# Altium PCB A8_multiple.PcbDoc (part 4 of 10)
Units mm, origin at the board's own origin, x right, y up, seen from the top; angles counter-clockwise.
Board outline 140 x 140 mm, 2 copper layers (Top Layer, Bottom Layer); 80 components, 0 nets, 928 pads, 160 vias.
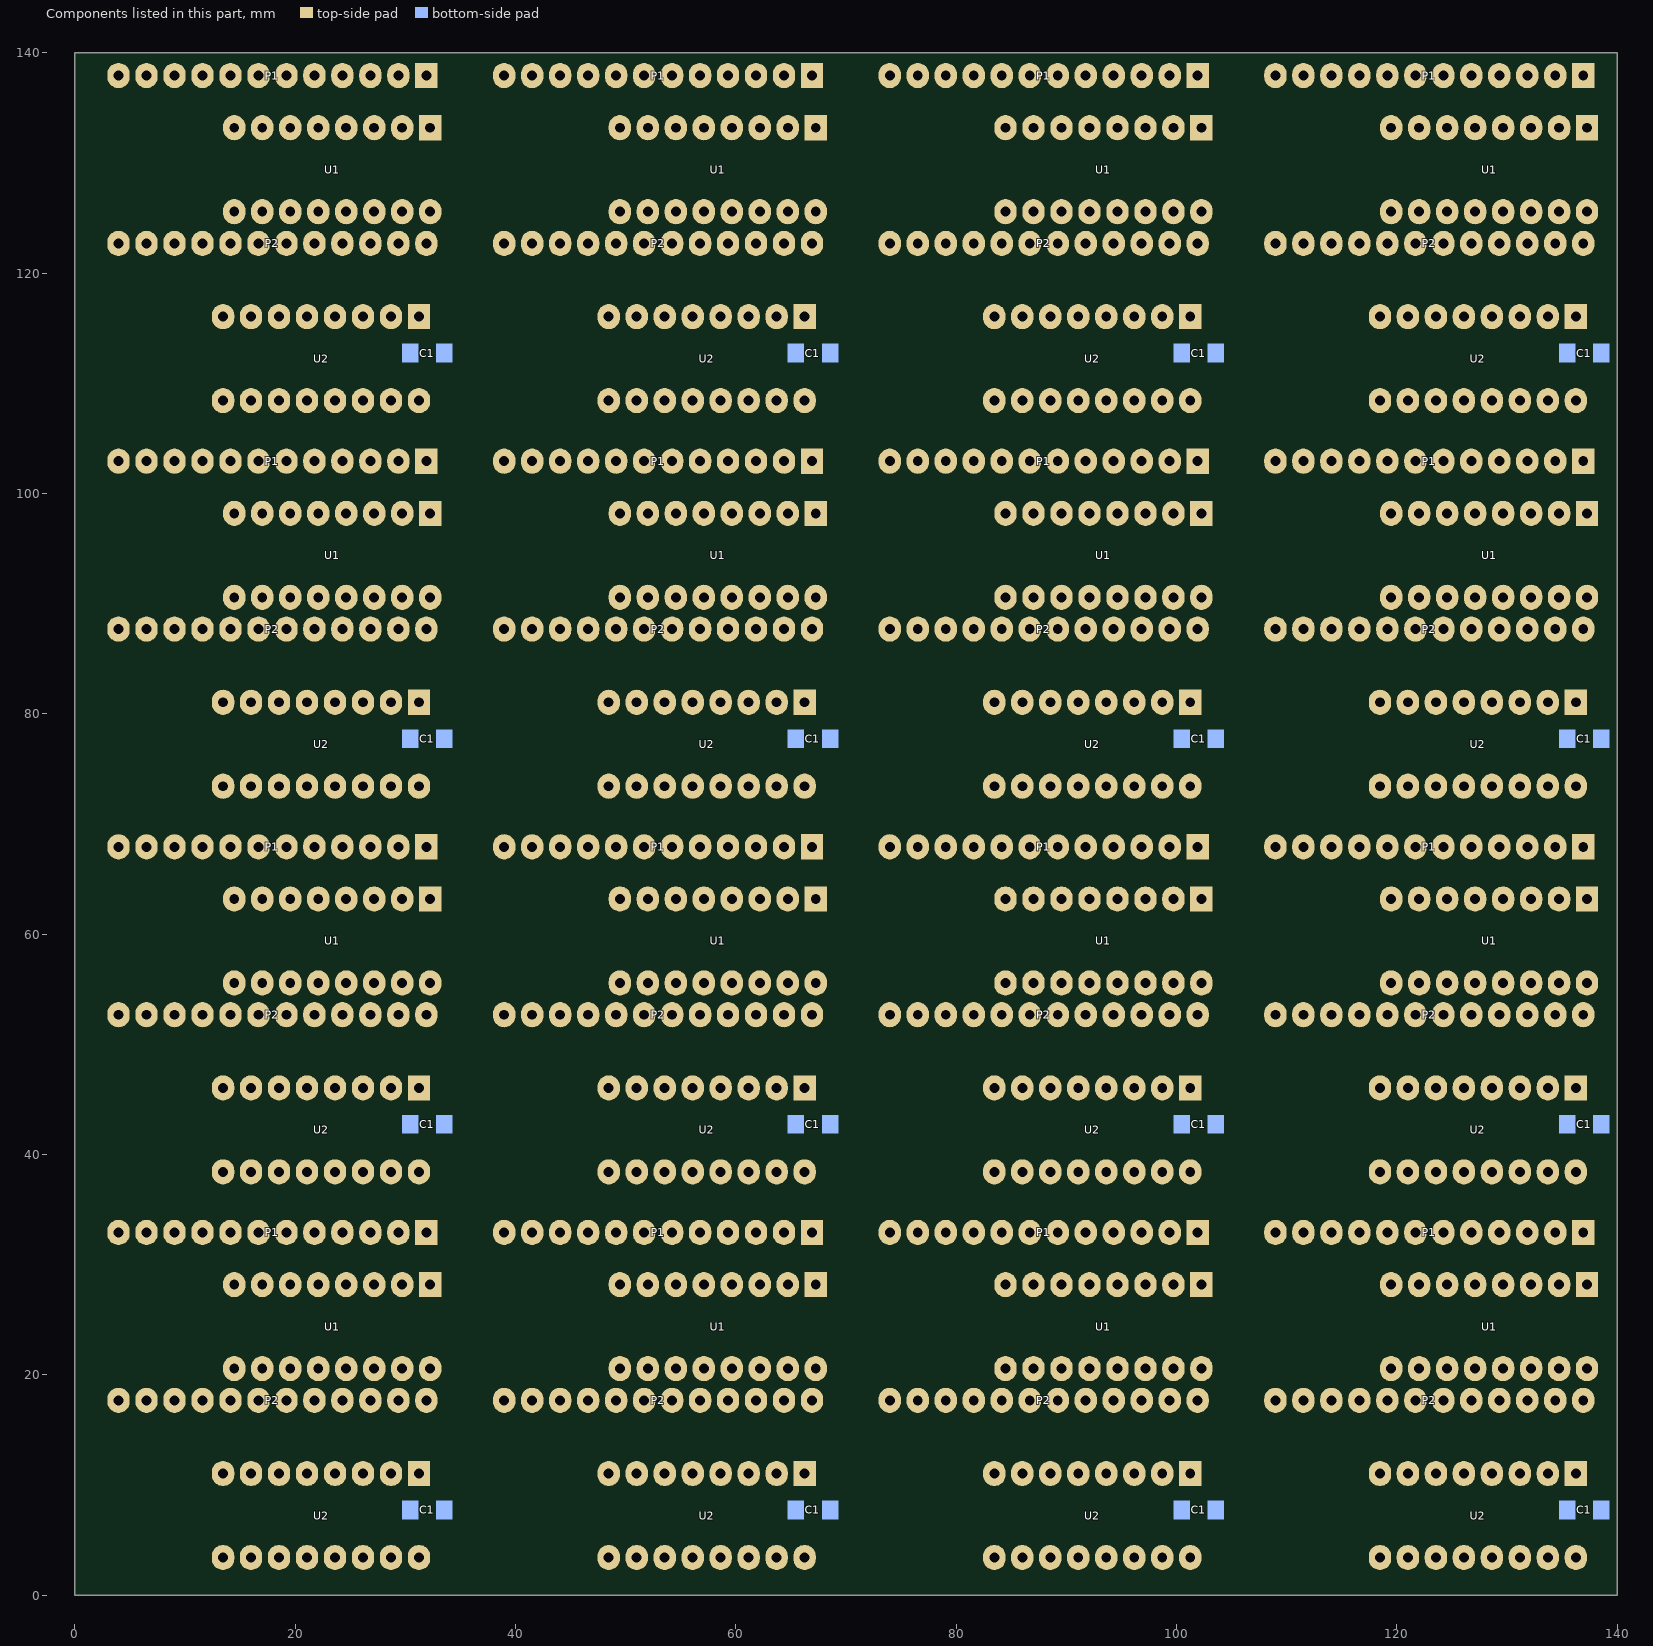
[diagram p4: the components of this part, seen from the top]

## Via types
v1: diameter 2.032, hole 0.711, Top Layer to Bottom Layer, 160 vias

## Nets (pads, with @x,y where several pads share a name; then routed paths per layer and width w, separated by ;. In a path a pad name is that pad's centre, name@x,y a point inside that pad or via, vN(x,y) a via of type N, cw(c..) or ccw(c..) an arc to the next point about the centre after c; other vN are vias at no path point) (continued)
copper on no net: (continued)
  Bottom Layer w0.406: v1@130.367,84.572 cw(c128.446,82.651) 131.162,82.651 ; v1@130.367,119.572 cw(c128.446,117.651) 131.162,117.651 ; 130.587,11.751 ccw(c129.2,13.138) 131.162,13.138 ccw(c133.124,13.138) 131.737,11.751 ; 130.587,46.751 ccw(c129.2,48.138) 131.162,48.138 ccw(c133.124,48.138) 131.737,46.751 ; 130.587,81.751 ccw(c129.2,83.138) 131.162,83.138 ccw(c133.124,83.138) 131.737,81.751 ; 130.587,116.751 ccw(c129.2,118.138) 131.162,118.138 ccw(c133.124,118.138) 131.737,116.751 ; 130.63,4.171 ccw(c129.624,5.334) 131.162,5.334 ; 130.63,39.171 ccw(c129.624,40.334) 131.162,40.334 ; 130.63,74.171 ccw(c129.624,75.334) 131.162,75.334 ; 130.63,109.171 ccw(c129.624,110.334) 131.162,110.334 ; 131.162,3.429 131.162,5.334 ; 131.162,11.049 131.162,14.351 v1(130.654,14.859) cw(c129.428,13.633) 131.162,13.633 ; 131.162,38.429 131.162,40.334 ; 131.162,46.049 131.162,49.351 v1(130.654,49.859) cw(c129.428,48.633) 131.162,48.633 ; 131.162,73.429 131.162,75.334 ; 131.162,81.049 131.162,84.351 v1(130.654,84.859) cw(c129.428,83.633) 131.162,83.633 ; 131.162,108.429 131.162,110.334 ; 131.162,116.049 131.162,119.351 v1(130.654,119.859) cw(c129.428,118.633) 131.162,118.633 ; 131.523,16.814 cw(c131.327,16.345) 131.835,16.345 ; 131.523,51.814 cw(c131.327,51.345) 131.835,51.345 ; 131.523,86.814 cw(c131.327,86.345) 131.835,86.345 ; 131.523,121.814 cw(c131.327,121.345) 131.835,121.345 ; 131.603,21.276 ccw(c130.216,22.663) 132.178,22.663 ccw(c134.14,22.663) 132.753,21.276 ; 131.603,56.276 ccw(c130.216,57.663) 132.178,57.663 ccw(c134.14,57.663) 132.753,56.276 ; 131.603,91.276 ccw(c130.216,92.663) 132.178,92.663 ccw(c134.14,92.663) 132.753,91.276 ; 131.603,126.276 ccw(c130.216,127.663) 132.178,127.663 ccw(c134.14,127.663) 132.753,126.276 ; 131.694,4.171 cw(c132.7,5.334) 131.162,5.334 ; 131.694,39.171 cw(c132.7,40.334) 131.162,40.334 ; 131.694,74.171 cw(c132.7,75.334) 131.162,75.334 ; 131.694,109.171 cw(c132.7,110.334) 131.162,110.334 ; 131.835,17.564 ccw(c132.603,16.959) 131.912,16.268 ; 131.835,17.691 131.835,16.345 ; 131.835,52.564 ccw(c132.603,51.959) 131.912,51.268 ; 131.835,52.691 131.835,51.345 ; 131.835,87.564 ccw(c132.603,86.959) 131.912,86.268 ; 131.835,87.691 131.835,86.345 ; 131.835,122.564 ccw(c132.603,121.959) 131.912,121.268 ; 131.835,122.691 131.835,121.345 ; 132.147,16.814 ccw(c132.343,16.345) 131.835,16.345 ; 132.147,51.814 ccw(c132.343,51.345) 131.835,51.345 ; 132.147,86.814 ccw(c132.343,86.345) 131.835,86.345 ; 132.147,121.814 ccw(c132.343,121.345) 131.835,121.345 ; 132.154,17.313 ccw(c132.965,16.674) 132.235,15.945 ; 132.154,52.313 ccw(c132.965,51.674) 132.235,50.945 ; 132.154,87.313 ccw(c132.965,86.674) 132.235,85.945 ; 132.154,122.313 ccw(c132.965,121.674) 132.235,120.945 ; 132.178,20.574 132.178,22.86 129.511,25.527 118.081,25.527 116.811,26.797 116.811,29.272 118.527,30.988 121.002,30.988 ; 132.178,55.574 132.178,57.86 129.511,60.527 118.081,60.527 116.811,61.797 116.811,64.272 118.527,65.988 121.002,65.988 ; 132.178,90.574 132.178,92.86 129.511,95.527 118.081,95.527 116.811,96.797 116.811,99.272 118.527,100.988 121.002,100.988 ; 132.178,125.574 132.178,127.86 129.511,130.527 118.081,130.527 116.811,131.797 116.811,134.272 118.527,135.988 121.002,135.988 ; 132.474,17.061 ccw(c133.327,16.389) 132.559,15.621 ; 132.474,52.061 ccw(c133.327,51.389) 132.559,50.621 ; 132.474,87.061 ccw(c133.327,86.389) 132.559,85.621 ; 132.474,122.061 ccw(c133.327,121.389) 132.559,120.621 ; 133.127,4.131 ccw(c131.74,5.518) 133.702,5.518 ccw(c135.664,5.518) 134.277,4.131 ; 133.127,11.751 ccw(c131.74,13.138) 133.702,13.138 ccw(c135.664,13.138) 134.277,11.751 ; 133.127,39.131 ccw(c131.74,40.518) 133.702,40.518 ccw(c135.664,40.518) 134.277,39.131 ; 133.127,46.751 ccw(c131.74,48.138) 133.702,48.138 ccw(c135.664,48.138) 134.277,46.751 ; 133.127,74.131 ccw(c131.74,75.518) 133.702,75.518 ccw(c135.664,75.518) 134.277,74.131 ; 133.127,81.751 ccw(c131.74,83.138) 133.702,83.138 ccw(c135.664,83.138) 134.277,81.751 ; 133.127,109.131 ccw(c131.74,110.518) 133.702,110.518 ccw(c135.664,110.518) 134.277,109.131 ; 133.127,116.751 ccw(c131.74,118.138) 133.702,118.138 ccw(c135.664,118.138) 134.277,116.751 ; 133.702,3.429 133.702,5.715 131.543,7.874 124.177,7.874 122.907,9.144 117.635,9.144 116.684,10.095 116.684,12.09 118.564,13.97 121.002,13.97 122.907,15.875 123.707,15.875 124.215,16.383 ; 133.702,11.049 133.702,13.843 132.559,14.986 132.559,15.621 ; 133.702,38.429 133.702,40.715 131.543,42.874 124.177,42.874 122.907,44.144 117.635,44.144 116.684,45.095 116.684,47.09 118.564,48.97 121.002,48.97 122.907,50.875 123.707,50.875 124.215,51.383 ; 133.702,46.049 133.702,48.843 132.559,49.986 132.559,50.621 ; 133.702,73.429 133.702,75.715 131.543,77.874 124.177,77.874 122.907,79.144 117.635,79.144 116.684,80.095 116.684,82.09 118.564,83.97 121.002,83.97 122.907,85.875 123.707,85.875 124.215,86.383 ; 133.702,81.049 133.702,83.843 132.559,84.986 132.559,85.621 ; 133.702,108.429 133.702,110.715 131.543,112.874 124.177,112.874 122.907,114.144 117.635,114.144 116.684,115.095 116.684,117.09 118.564,118.97 121.002,118.97 122.907,120.875 123.707,120.875 124.215,121.383 ; 133.702,116.049 133.702,118.843 132.559,119.986 132.559,120.621 ; 134.316,21.408 ccw(c133.924,22.098) 134.718,22.098 ; 134.316,56.408 ccw(c133.924,57.098) 134.718,57.098 ; 134.316,91.408 ccw(c133.924,92.098) 134.718,92.098 ; 134.316,126.408 ccw(c133.924,127.098) 134.718,127.098 ; 134.718,20.574 134.718,22.098 ; 134.718,55.574 134.718,57.098 ; 134.718,90.574 134.718,92.098 ; 134.718,125.574 134.718,127.098 ; 135.12,21.408 cw(c135.512,22.098) 134.718,22.098 ; 135.12,56.408 cw(c135.512,57.098) 134.718,57.098 ; 135.12,91.408 cw(c135.512,92.098) 134.718,92.098 ; 135.12,126.408 cw(c135.512,127.098) 134.718,127.098 ; 6.515,19.266 6.515,17.691 6.515,15.024 4.826,13.335 4.826,10.287 11.684,3.429 ; 6.515,24.892 8.001,24.892 10.414,22.479 16.51,22.479 17.018,21.971 ; 6.515,24.892 6.515,23.66 1.905,19.05 1.905,7.62 7.874,1.651 15.24,1.651 ; 6.515,54.266 6.515,52.691 6.515,50.024 4.826,48.335 4.826,45.287 11.684,38.429 ; 6.515,59.892 8.001,59.892 10.414,57.479 16.51,57.479 17.018,56.971 ; 6.515,59.892 6.515,58.66 1.905,54.05 1.905,42.62 7.874,36.651 15.24,36.651 ; 6.515,89.266 6.515,87.691 6.515,85.024 4.826,83.335 4.826,80.287 11.684,73.429 ; 6.515,94.892 8.001,94.892 10.414,92.479 16.51,92.479 17.018,91.971 ; 6.515,94.892 6.515,93.66 1.905,89.05 1.905,77.62 7.874,71.651 15.24,71.651 ; 6.515,124.266 6.515,122.691 6.515,120.024 4.826,118.335 4.826,115.287 11.684,108.429 ; 6.515,129.892 8.001,129.892 10.414,127.479 16.51,127.479 17.018,126.971 ; 6.515,129.892 6.515,128.66 1.905,124.05 1.905,112.62 7.874,106.651 15.24,106.651 ; 8.255,26.67 v1(8.255,28.321) 8.255,30.607 9.055,31.407 ; 8.255,26.67 11.684,23.241 18.415,23.241 19.558,22.098 ; 8.255,61.67 v1(8.255,63.321) 8.255,65.607 9.055,66.407 ; 8.255,61.67 11.684,58.241 18.415,58.241 19.558,57.098 ; 8.255,96.67 v1(8.255,98.321) 8.255,100.607 9.055,101.407 ; 8.255,96.67 11.684,93.241 18.415,93.241 19.558,92.098 ; 8.255,131.67 v1(8.255,133.321) 8.255,135.607 9.055,136.407 ; 8.255,131.67 11.684,128.241 18.415,128.241 19.558,127.098 ; 11.595,15.659 9.271,13.335 9.271,8.636 11.684,6.223 16.891,6.223 17.526,5.588 20.32,5.588 21.082,4.826 ; 11.595,50.659 9.271,48.335 9.271,43.636 11.684,41.223 16.891,41.223 17.526,40.588 20.32,40.588 21.082,39.826 ; 11.595,85.659 9.271,83.335 9.271,78.636 11.684,76.223 16.891,76.223 17.526,75.588 20.32,75.588 21.082,74.826 ; 11.595,120.659 9.271,118.335 9.271,113.636 11.684,111.223 16.891,111.223 17.526,110.588 20.32,110.588 21.082,109.826 ; 13.335,15.621 12.7,15.621 10.033,12.954 10.033,9.144 11.938,7.239 17.145,7.239 18.034,6.35 22.479,6.35 23.622,5.207 ; 13.335,15.621 14.135,16.421 ; 13.335,50.621 12.7,50.621 10.033,47.954 10.033,44.144 11.938,42.239 17.145,42.239 18.034,41.35 22.479,41.35 23.622,40.207 ; 13.335,50.621 14.135,51.421 ; 13.335,85.621 12.7,85.621 10.033,82.954 10.033,79.144 11.938,77.239 17.145,77.239 18.034,76.35 22.479,76.35 23.622,75.207 ; 13.335,85.621 14.135,86.421 ; 13.335,120.621 12.7,120.621 10.033,117.954 10.033,114.144 11.938,112.239 17.145,112.239 18.034,111.35 22.479,111.35 23.622,110.207 ; 13.335,120.621 14.135,121.421 ; 16.002,30.988 16.675,31.661 ; 16.002,65.988 16.675,66.661 ; 16.002,100.988 16.675,101.661 ; 16.002,135.988 16.675,136.661 ; 16.675,16.294 15.24,14.859 13.081,14.859 10.922,12.7 10.922,9.779 12.573,8.128 17.653,8.128 18.669,7.112 24.384,7.112 26.162,5.334 ; 16.675,51.294 15.24,49.859 13.081,49.859 10.922,47.7 10.922,44.779 12.573,43.128 17.653,43.128 18.669,42.112 24.384,42.112 26.162,40.334 ; 16.675,86.294 15.24,84.859 13.081,84.859 10.922,82.7 10.922,79.779 12.573,78.128 17.653,78.128 18.669,77.112 24.384,77.112 26.162,75.334 ; 16.675,121.294 15.24,119.859 13.081,119.859 10.922,117.7 10.922,114.779 12.573,113.128 17.653,113.128 18.669,112.112 24.384,112.112 26.162,110.334 ; 26.835,16.345 27.559,15.621 ; 26.835,51.345 27.559,50.621 ; 26.835,86.345 27.559,85.621 ; 26.835,121.345 27.559,120.621 ; 41.515,19.266 41.515,17.691 41.515,15.024 39.826,13.335 39.826,10.287 46.684,3.429 ; 41.515,24.892 43.001,24.892 45.414,22.479 51.51,22.479 52.018,21.971 ; 41.515,24.892 41.515,23.66 36.905,19.05 36.905,7.62 42.874,1.651 50.24,1.651 ; 41.515,54.266 41.515,52.691 41.515,50.024 39.826,48.335 39.826,45.287 46.684,38.429 ; 41.515,59.892 43.001,59.892 45.414,57.479 51.51,57.479 52.018,56.971 ; 41.515,59.892 41.515,58.66 36.905,54.05 36.905,42.62 42.874,36.651 50.24,36.651 ; 41.515,89.266 41.515,87.691 41.515,85.024 39.826,83.335 39.826,80.287 46.684,73.429 ; 41.515,94.892 43.001,94.892 45.414,92.479 51.51,92.479 52.018,91.971 ; 41.515,94.892 41.515,93.66 36.905,89.05 36.905,77.62 42.874,71.651 50.24,71.651 ; 41.515,124.266 41.515,122.691 41.515,120.024 39.826,118.335 39.826,115.287 46.684,108.429 ; 41.515,129.892 43.001,129.892 45.414,127.479 51.51,127.479 52.018,126.971 ; 41.515,129.892 41.515,128.66 36.905,124.05 36.905,112.62 42.874,106.651 50.24,106.651 ; 43.255,26.67 v1(43.255,28.321) 43.255,30.607 44.055,31.407 ; 43.255,26.67 46.684,23.241 53.415,23.241 54.558,22.098 ; 43.255,61.67 v1(43.255,63.321) 43.255,65.607 44.055,66.407 ; 43.255,61.67 46.684,58.241 53.415,58.241 54.558,57.098 ; 43.255,96.67 v1(43.255,98.321) 43.255,100.607 44.055,101.407 ; 43.255,96.67 46.684,93.241 53.415,93.241 54.558,92.098 ; 43.255,131.67 v1(43.255,133.321) 43.255,135.607 44.055,136.407 ; 43.255,131.67 46.684,128.241 53.415,128.241 54.558,127.098 ; 46.595,15.659 44.271,13.335 44.271,8.636 46.684,6.223 51.891,6.223 52.526,5.588 55.32,5.588 56.082,4.826 ; 46.595,50.659 44.271,48.335 44.271,43.636 46.684,41.223 51.891,41.223 52.526,40.588 55.32,40.588 56.082,39.826 ; 46.595,85.659 44.271,83.335 44.271,78.636 46.684,76.223 51.891,76.223 52.526,75.588 55.32,75.588 56.082,74.826 ; 46.595,120.659 44.271,118.335 44.271,113.636 46.684,111.223 51.891,111.223 52.526,110.588 55.32,110.588 56.082,109.826 ; 48.335,15.621 47.7,15.621 45.033,12.954 45.033,9.144 46.938,7.239 52.145,7.239 53.034,6.35 57.479,6.35 58.622,5.207 ; 48.335,15.621 49.135,16.421 ; 48.335,50.621 47.7,50.621 45.033,47.954 45.033,44.144 46.938,42.239 52.145,42.239 53.034,41.35 57.479,41.35 58.622,40.207 ; 48.335,50.621 49.135,51.421 ; 48.335,85.621 47.7,85.621 45.033,82.954 45.033,79.144 46.938,77.239 52.145,77.239 53.034,76.35 57.479,76.35 58.622,75.207 ; 48.335,85.621 49.135,86.421 ; 48.335,120.621 47.7,120.621 45.033,117.954 45.033,114.144 46.938,112.239 52.145,112.239 53.034,111.35 57.479,111.35 58.622,110.207 ; 48.335,120.621 49.135,121.421 ; 51.002,30.988 51.675,31.661 ; 51.002,65.988 51.675,66.661 ; 51.002,100.988 51.675,101.661 ; 51.002,135.988 51.675,136.661 ; 51.675,16.294 50.24,14.859 48.081,14.859 45.922,12.7 45.922,9.779 47.573,8.128 52.653,8.128 53.669,7.112 59.384,7.112 61.162,5.334 ; 51.675,51.294 50.24,49.859 48.081,49.859 45.922,47.7 45.922,44.779 47.573,43.128 52.653,43.128 53.669,42.112 59.384,42.112 61.162,40.334 ; 51.675,86.294 50.24,84.859 48.081,84.859 45.922,82.7 45.922,79.779 47.573,78.128 52.653,78.128 53.669,77.112 59.384,77.112 61.162,75.334 ; 51.675,121.294 50.24,119.859 48.081,119.859 45.922,117.7 45.922,114.779 47.573,113.128 52.653,113.128 53.669,112.112 59.384,112.112 61.162,110.334 ; 61.835,16.345 62.559,15.621 ; 61.835,51.345 62.559,50.621 ; 61.835,86.345 62.559,85.621 ; 61.835,121.345 62.559,120.621 ; 76.515,19.266 76.515,17.691 76.515,15.024 74.826,13.335 74.826,10.287 81.684,3.429 ; 76.515,24.892 78.001,24.892 80.414,22.479 86.51,22.479 87.018,21.971 ; 76.515,24.892 76.515,23.66 71.905,19.05 71.905,7.62 77.874,1.651 85.24,1.651 ; 76.515,54.266 76.515,52.691 76.515,50.024 74.826,48.335 74.826,45.287 81.684,38.429 ; 76.515,59.892 78.001,59.892 80.414,57.479 86.51,57.479 87.018,56.971 ; 76.515,59.892 76.515,58.66 71.905,54.05 71.905,42.62 77.874,36.651 85.24,36.651 ; 76.515,89.266 76.515,87.691 76.515,85.024 74.826,83.335 74.826,80.287 81.684,73.429 ; 76.515,94.892 78.001,94.892 80.414,92.479 86.51,92.479 87.018,91.971 ; 76.515,94.892 76.515,93.66 71.905,89.05 71.905,77.62 77.874,71.651 85.24,71.651 ; 76.515,124.266 76.515,122.691 76.515,120.024 74.826,118.335 74.826,115.287 81.684,108.429 ; 76.515,129.892 78.001,129.892 80.414,127.479 86.51,127.479 87.018,126.971 ; 76.515,129.892 76.515,128.66 71.905,124.05 71.905,112.62 77.874,106.651 85.24,106.651 ; 78.255,26.67 v1(78.255,28.321) 78.255,30.607 79.055,31.407 ; 78.255,26.67 81.684,23.241 88.415,23.241 89.558,22.098 ; 78.255,61.67 v1(78.255,63.321) 78.255,65.607 79.055,66.407 ; 78.255,61.67 81.684,58.241 88.415,58.241 89.558,57.098 ; 78.255,96.67 v1(78.255,98.321) 78.255,100.607 79.055,101.407 ; 78.255,96.67 81.684,93.241 88.415,93.241 89.558,92.098 ; 78.255,131.67 v1(78.255,133.321) 78.255,135.607 79.055,136.407 ; 78.255,131.67 81.684,128.241 88.415,128.241 89.558,127.098 ; 81.595,15.659 79.271,13.335 79.271,8.636 81.684,6.223 86.891,6.223 87.526,5.588 90.32,5.588 91.082,4.826 ; 81.595,50.659 79.271,48.335 79.271,43.636 81.684,41.223 86.891,41.223 87.526,40.588 90.32,40.588 91.082,39.826 ; 81.595,85.659 79.271,83.335 79.271,78.636 81.684,76.223 86.891,76.223 87.526,75.588 90.32,75.588 91.082,74.826 ; 81.595,120.659 79.271,118.335 79.271,113.636 81.684,111.223 86.891,111.223 87.526,110.588 90.32,110.588 91.082,109.826 ; 83.335,15.621 82.7,15.621 80.033,12.954 80.033,9.144 81.938,7.239 87.145,7.239 88.034,6.35 92.479,6.35 93.622,5.207 ; 83.335,15.621 84.135,16.421 ; 83.335,50.621 82.7,50.621 80.033,47.954 80.033,44.144 81.938,42.239 87.145,42.239 88.034,41.35 92.479,41.35 93.622,40.207 ; 83.335,50.621 84.135,51.421 ; 83.335,85.621 82.7,85.621 80.033,82.954 80.033,79.144 81.938,77.239 87.145,77.239 88.034,76.35 92.479,76.35 93.622,75.207 ; 83.335,85.621 84.135,86.421 ; 83.335,120.621 82.7,120.621 80.033,117.954 80.033,114.144 81.938,112.239 87.145,112.239 88.034,111.35 92.479,111.35 93.622,110.207 ; 83.335,120.621 84.135,121.421 ; 86.002,30.988 86.675,31.661 ; 86.002,65.988 86.675,66.661 ; 86.002,100.988 86.675,101.661 ; 86.002,135.988 86.675,136.661 ; 86.675,16.294 85.24,14.859 83.081,14.859 80.922,12.7 80.922,9.779 82.573,8.128 87.653,8.128 88.669,7.112 94.384,7.112 96.162,5.334 ; 86.675,51.294 85.24,49.859 83.081,49.859 80.922,47.7 80.922,44.779 82.573,43.128 87.653,43.128 88.669,42.112 94.384,42.112 96.162,40.334 ; 86.675,86.294 85.24,84.859 83.081,84.859 80.922,82.7 80.922,79.779 82.573,78.128 87.653,78.128 88.669,77.112 94.384,77.112 96.162,75.334 ; 86.675,121.294 85.24,119.859 83.081,119.859 80.922,117.7 80.922,114.779 82.573,113.128 87.653,113.128 88.669,112.112 94.384,112.112 96.162,110.334 ; 96.835,16.345 97.559,15.621 ; 96.835,51.345 97.559,50.621 ; 96.835,86.345 97.559,85.621 ; 96.835,121.345 97.559,120.621 ; 111.515,19.266 111.515,17.691 111.515,15.024 109.826,13.335 109.826,10.287 116.684,3.429 ; 111.515,24.892 113.001,24.892 115.414,22.479 121.51,22.479 122.018,21.971 ; 111.515,24.892 111.515,23.66 106.905,19.05 106.905,7.62 112.874,1.651 120.24,1.651 ; 111.515,54.266 111.515,52.691 111.515,50.024 109.826,48.335 109.826,45.287 116.684,38.429 ; 111.515,59.892 113.001,59.892 115.414,57.479 121.51,57.479 122.018,56.971 ; 111.515,59.892 111.515,58.66 106.905,54.05 106.905,42.62 112.874,36.651 120.24,36.651 ; 111.515,89.266 111.515,87.691 111.515,85.024 109.826,83.335 109.826,80.287 116.684,73.429 ; 111.515,94.892 113.001,94.892 115.414,92.479 121.51,92.479 122.018,91.971 ; 111.515,94.892 111.515,93.66 106.905,89.05 106.905,77.62 112.874,71.651 120.24,71.651 ; 111.515,124.266 111.515,122.691 111.515,120.024 109.826,118.335 109.826,115.287 116.684,108.429 ; 111.515,129.892 113.001,129.892 115.414,127.479 121.51,127.479 122.018,126.971 ; 111.515,129.892 111.515,128.66 106.905,124.05 106.905,112.62 112.874,106.651 120.24,106.651 ; 113.255,26.67 v1(113.255,28.321) 113.255,30.607 114.055,31.407 ; 113.255,26.67 116.684,23.241 123.415,23.241 124.558,22.098 ; 113.255,61.67 v1(113.255,63.321) 113.255,65.607 114.055,66.407 ; 113.255,61.67 116.684,58.241 123.415,58.241 124.558,57.098 ; 113.255,96.67 v1(113.255,98.321) 113.255,100.607 114.055,101.407 ; 113.255,96.67 116.684,93.241 123.415,93.241 124.558,92.098 ; 113.255,131.67 v1(113.255,133.321) 113.255,135.607 114.055,136.407 ; 113.255,131.67 116.684,128.241 123.415,128.241 124.558,127.098 ; 116.595,15.659 114.271,13.335 114.271,8.636 116.684,6.223 121.891,6.223 122.526,5.588 125.32,5.588 126.082,4.826 ; 116.595,50.659 114.271,48.335 114.271,43.636 116.684,41.223 121.891,41.223 122.526,40.588 125.32,40.588 126.082,39.826 ; 116.595,85.659 114.271,83.335 114.271,78.636 116.684,76.223 121.891,76.223 122.526,75.588 125.32,75.588 126.082,74.826 ; 116.595,120.659 114.271,118.335 114.271,113.636 116.684,111.223 121.891,111.223 122.526,110.588 125.32,110.588 126.082,109.826 ; 118.335,15.621 117.7,15.621 115.033,12.954 115.033,9.144 116.938,7.239 122.145,7.239 123.034,6.35 127.479,6.35 128.622,5.207 ; 118.335,15.621 119.135,16.421 ; 118.335,50.621 117.7,50.621 115.033,47.954 115.033,44.144 116.938,42.239 122.145,42.239 123.034,41.35 127.479,41.35 128.622,40.207 ; 118.335,50.621 119.135,51.421 ; 118.335,85.621 117.7,85.621 115.033,82.954 115.033,79.144 116.938,77.239 122.145,77.239 123.034,76.35 127.479,76.35 128.622,75.207 ; 118.335,85.621 119.135,86.421 ; 118.335,120.621 117.7,120.621 115.033,117.954 115.033,114.144 116.938,112.239 122.145,112.239 123.034,111.35 127.479,111.35 128.622,110.207 ; 118.335,120.621 119.135,121.421 ; 121.002,30.988 121.675,31.661 ; 121.002,65.988 121.675,66.661 ; 121.002,100.988 121.675,101.661 ; 121.002,135.988 121.675,136.661 ; 121.675,16.294 120.24,14.859 118.081,14.859 115.922,12.7 115.922,9.779 117.573,8.128 122.653,8.128 123.669,7.112 129.384,7.112 131.162,5.334 ; 121.675,51.294 120.24,49.859 118.081,49.859 115.922,47.7 115.922,44.779 117.573,43.128 122.653,43.128 123.669,42.112 129.384,42.112 131.162,40.334 ; 121.675,86.294 120.24,84.859 118.081,84.859 115.922,82.7 115.922,79.779 117.573,78.128 122.653,78.128 123.669,77.112 129.384,77.112 131.162,75.334 ; 121.675,121.294 120.24,119.859 118.081,119.859 115.922,117.7 115.922,114.779 117.573,113.128 122.653,113.128 123.669,112.112 129.384,112.112 131.162,110.334 ; 131.835,16.345 132.559,15.621 ; 131.835,51.345 132.559,50.621 ; 131.835,86.345 132.559,85.621 ; 131.835,121.345 132.559,120.621